# KiCad board Fraiseiver2panel.kicad_pcb (continued)
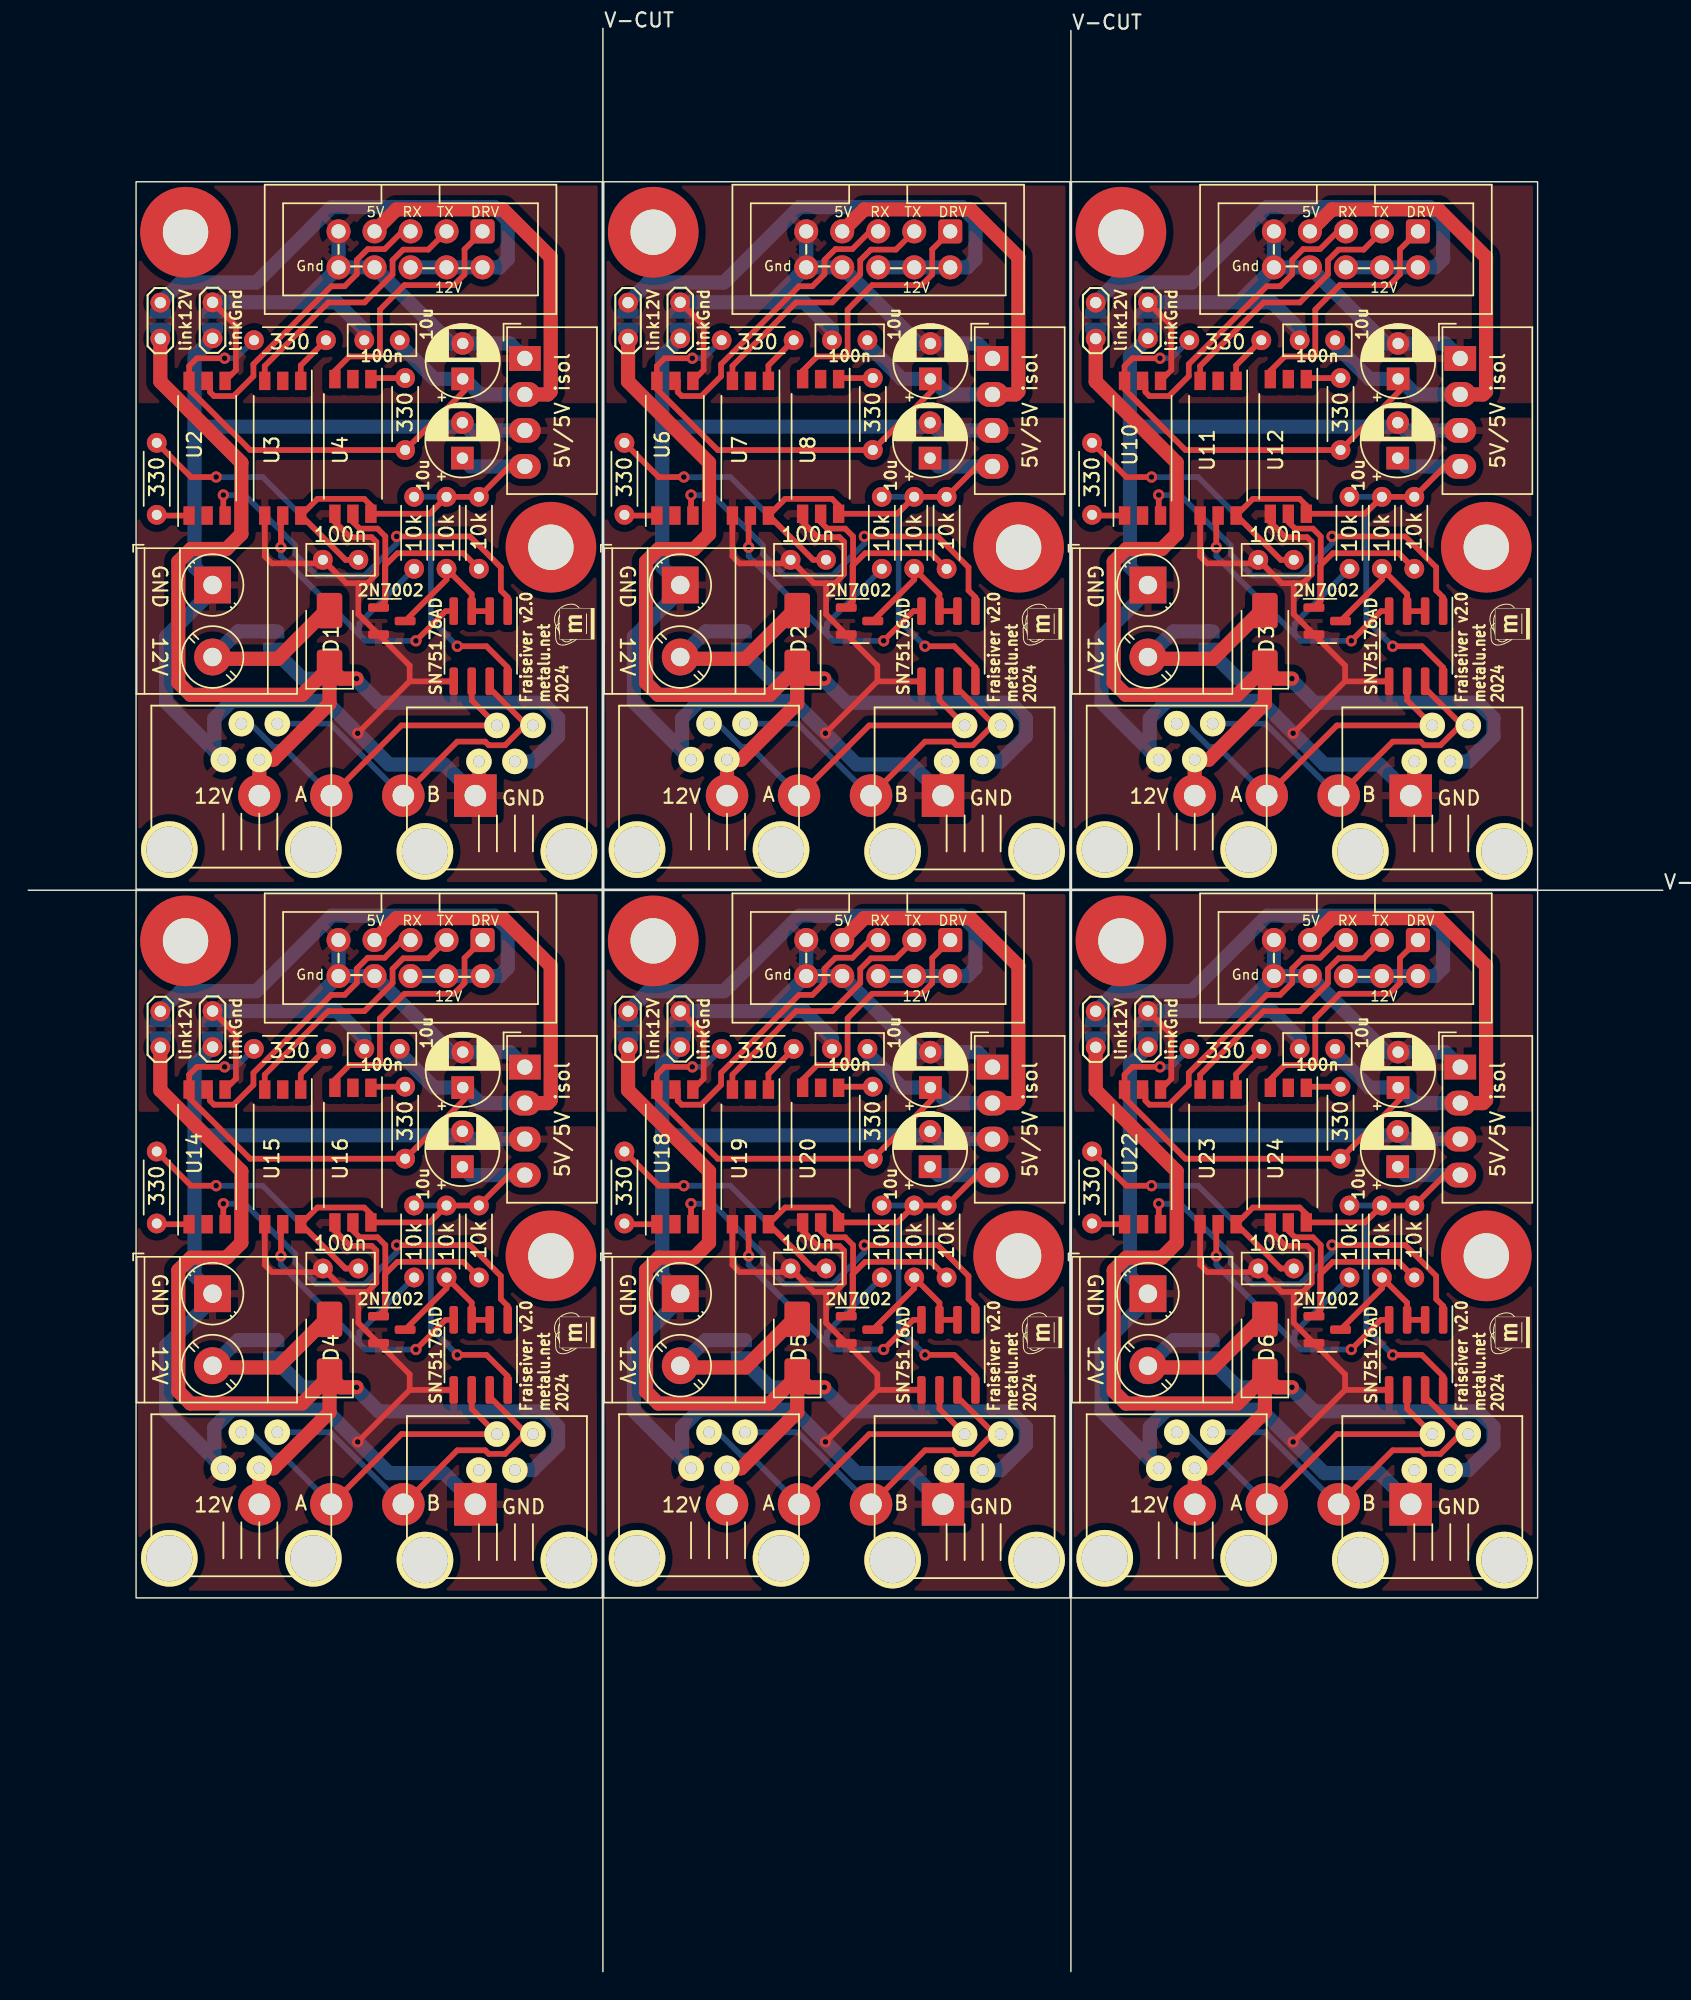
[diagram p0: board, top side]
## Library data of the parts
C1 C2 C5 C6 C9 C10 C13 C14 C17 C18 C21 C22 = -: Description: Unpolarized capacitor
C3 C4 C7 C8 C11 C12 C15 C16 C19 C20 C23 C24 = -: Description: Polarized capacitor
D1-D6 = -: Description: Schottky diode
H1-H12 = -: Description: Mounting Hole without connection
J1 J4 J6 J9 J11 J14 J16 J19 J21 J24 J26 J29 = -: Description: RJ connector, 6P4C (6 positions 4 connected)
J2 J7 J12 J17 J22 J27 = -: Description: Generic connector, single row, 01x02, script generated
J3 J8 J13 J18 J23 J28 = -: Description: Generic connector, double row, 02x05, odd/even pin numbering scheme (row 1 odd numbers, row 2 even numbers), script generated (kicad-library-utils/schlib/autogen/connector/)
J5 J10 J15 J20 J25 J30 = -: Description: Generic connector, single row, 01x04, script generated
JP1 JP3 JP6 JP8 JP11 JP13 JP16 JP18 JP21 JP23 JP26 JP28 = -: Description: Jumper, 2-pole, open
JP2 JP4 JP5 JP7 JP9 JP10 JP12 JP14 JP15 JP17 JP19 JP20 JP22 JP24 JP25 JP27 JP29 JP30 = -: Description: Solder Jumper, 2-pole, open
PS1-PS6 = -: Description: 1W, 1000 VDC isolated DC/DC converter, 5V input, 5V output, SIP
Q1-Q6 = -: Description: 0.115A Id, 60V Vds, N-Channel MOSFET, SOT-23
R1-R36 = -: Description: Resistor
U1 U5 U9 U13 U17 U21 = -: Description: Differential RS-422/RS-485 bus transceiver, SOIC-8
U2-U4 U6-U8 U10-U12 U14-U16 U18-U20 U22-U24 = -: Description: 50-Mbps high speed inverting photocouple,5 kVrms, 2.7 - 5.5 Vdd, push-pull output

## Footprints (pads in the part's own frame, mm; a bottom-side part is the same pattern mirrored in y, then rotated)
C_Rect_L4.6mm_W2.0mm_P2.50mm_MKS02_FKP02
  round 1.4 hole 0.7: 1(0,0) 2(2.5,0)
Converter_DCDC_Murata_MEE1SxxxxSC_THT
  rect 2.25x1.75 hole 1.075: 1(0,0)
  oval 2.25x1.75 hole 1.075: 2(0,-2.54) 3(0,-5.08) 4(0,-7.62)
CP_Radial_D5.0mm_P2.50mm
  rect 1.6x1.6 hole 0.8: 1(0,0)
  round 1.6 hole 0.8: 2(2.5,0)
D_SMA
  rrect 2.5x1.8 smd: 1(-2,0) 2(2,0)
IDC-Header_2x05_P2.54mm_Vertical
  rrect 1.7x1.7 hole 1: 1(0,0)
  round 1.7 hole 1: 2(2.54,0) 3(0,-2.54) 4(2.54,-2.54) 5(0,-5.08) 6(2.54,-5.08) 7(0,-7.62) 8(2.54,-7.62) 9(0,-10.16) 10(2.54,-10.16)
MountingHole_3.2mm_M3_Pad_TopOnly
  round 3.6 hole 3.2: 1(0,0)
  round 6.4 smd: 1(0,0)
R_Axial_DIN0204_L3.6mm_D1.6mm_P5.08mm_Horizontal
  round 1.4 hole 0.7: 1(0,0)
  oval 1.4x1.4 hole 0.7: 2(5.08,0)
RJ11
  round 4 hole 3.251: (-5.08,6.35) (5.08,6.35)
  round 1.801 hole 0.813: 1(1.27,0) 2(0,-2.54) 3(-1.27,0) 4(-2.54,-2.54)
SO-6L_10x3.84mm_P1.27mm
  rect 1.3x0.8 smd: 1(-4.75,1.27) 2(-4.75,0) 3(-4.75,-1.27) 4(4.75,-1.27) 5(4.75,0) 6(4.75,1.27)
SOIC-8_3.9x4.9mm_P1.27mm
  rrect 1.95x0.6 smd: 1(-2.475,1.905) 2(-2.475,0.635) 3(-2.475,-0.635) 4(-2.475,-1.905) 5(2.475,-1.905) 6(2.475,-0.635) 7(2.475,0.635) 8(2.475,1.905)
SolderJumper-2_P1.3mm_Open_RoundedPad1.0x1.5mm
  custom 1x1.5 smd: 1(-0.65,0) 2(0.65,0)
SOT-23
  rrect 1.475x0.6 smd: 1(-0.938,0.95) 2(-0.938,-0.95) 3(0.938,0)
TerminalBlock_bornier-4_P5.08mm
  rect 3x3 hole 1.52: 1(0,0)
  round 3 hole 1.52: 2(5.08,0) 3(10.16,0) 4(15.24,0)
TerminalBlock_Phoenix_MKDS-3-2-5.08_1x02_P5.08mm_Horizontal
  rect 2.6x2.6 hole 1.3: 1(0,0)
  round 2.6 hole 1.3: 2(5.08,0)
TestPoint_2Pads_Pitch2.54mm_Drill0.8mm
  round 1.4 hole 0.8: 1(0,0) 2(2.54,0)

## Nets
+5V: C2.1 C3.1 C6.1 C7.1 C10.1 C11.1 C14.1 C15.1 C18.1 C19.1 C22.1 C23.1 J3.7 J8.7 J13.7 J18.7 J23.7 J28.7 PS1.2 PS2.2 PS3.2 PS4.2 PS5.2 PS6.2 R2.2 R3.2 R8.2 R9.2 R14.2 R15.2 R20.2 R21.2 R26.2 R27.2 R32.2 R33.2 U2.6 U6.6 U10.6 U14.6 U18.6 U22.6
+5VD: C1.1 C4.1 C5.1 C8.1 C9.1 C12.1 C13.1 C16.1 C17.1 C20.1 C21.1 C24.1 PS1.4 PS2.4 PS3.4 PS4.4 PS5.4 PS6.4 R1.1 R4.2 R5.2 R6.2 R7.1 R10.2 R11.2 R12.2 R13.1 R16.2 R17.2 R18.2 R19.1 R22.2 R23.2 R24.2 R25.1 R28.2 R29.2 R30.2 R31.1 R34.2 R35.2 R36.2 U1.8 U3.6 U4.6 U5.8 U7.6 U8.6 U9.8 U11.6 U12.6 U13.8 U15.6 U16.6 U17.8 U19.6 U20.6 U21.8 U23.6 U24.6
+12V: J3.2 J3.4 J3.6 J8.2 J8.4 J8.6 J13.2 J13.4 J13.6 J18.2 J18.4 J18.6 J23.2 J23.4 J23.6 J28.2 J28.4 J28.6 JP1.2 JP2.2 JP6.2 JP7.2 JP11.2 JP12.2 JP16.2 JP17.2 JP21.2 JP22.2 JP26.2 JP27.2
GND: C2.2 C3.2 C6.2 C7.2 C10.2 C11.2 C14.2 C15.2 C18.2 C19.2 C22.2 C23.2 J3.8 J3.9 J3.10 J8.8 J8.9 J8.10 J13.8 J13.9 J13.10 J18.8 J18.9 J18.10 J23.8 J23.9 J23.10 J28.8 J28.9 J28.10 JP3.2 JP4.2 JP8.2 JP9.2 JP13.2 JP14.2 JP18.2 JP19.2 JP23.2 JP24.2 JP28.2 JP29.2 PS1.1 PS2.1 PS3.1 PS4.1 PS5.1 PS6.1 U2.4 U6.4 U10.4 U14.4 U18.4 U22.4
GNDD: C1.2 C4.2 C5.2 C8.2 C9.2 C12.2 C13.2 C16.2 C17.2 C20.2 C21.2 C24.2 J1.1 J2.1 J4.1 J5.1 J6.1 J7.1 J9.1 J10.1 J11.1 J12.1 J14.1 J15.1 J16.1 J17.1 J19.1 J20.1 J21.1 J22.1 J24.1 J25.1 J26.1 J27.1 J29.1 J30.1 JP3.1 JP4.1 JP8.1 JP9.1 JP13.1 JP14.1 JP18.1 JP19.1 JP23.1 JP24.1 JP28.1 JP29.1 PS1.3 PS2.3 PS3.3 PS4.3 PS5.3 PS6.3 Q1.2 Q2.2 Q3.2 Q4.2 Q5.2 Q6.2 U1.5 U3.4 U4.4 U5.5 U7.4 U8.4 U9.5 U11.4 U12.4 U13.5 U15.4 U16.4 U17.5 U19.4 U20.4 U21.5 U23.4 U24.4
+12P: D1.1 D2.1 D3.1 D4.1 D5.1 D6.1 J1.3 J4.3 J5.4 J6.3 J9.3 J10.4 J11.3 J14.3 J15.4 J16.3 J19.3 J20.4 J21.3 J24.3 J25.4 J26.3 J29.3 J30.4 JP1.1 JP2.1 JP5.2 JP6.1 JP7.1 JP10.2 JP11.1 JP12.1 JP15.2 JP16.1 JP17.1 JP20.2 JP21.1 JP22.1 JP25.2 JP26.1 JP27.1 JP30.2
/A: J1.2 J4.2 J5.3 J6.2 J9.2 J10.3 J11.2 J14.2 J15.3 J16.2 J19.2 J20.3 J21.2 J24.2 J25.3 J26.2 J29.2 J30.3 U1.6 U5.6 U9.6 U13.6 U17.6 U21.6
/B: J1.4 J4.4 J5.2 J6.4 J9.4 J10.2 J11.4 J14.4 J15.2 J16.4 J19.4 J20.2 J21.4 J24.4 J25.2 J26.4 J29.4 J30.2 U1.7 U5.7 U9.7 U13.7 U17.7 U21.7
/DRV: J3.1 J8.1 J13.1 J18.1 J23.1 J28.1 U4.3 U8.3 U12.3 U16.3 U20.3 U24.3
/RX: J3.5 J8.5 J13.5 J18.5 J23.5 J28.5 U2.5 U6.5 U10.5 U14.5 U18.5 U22.5
/TX: J3.3 J8.3 J13.3 J18.3 J23.3 J28.3 U3.3 U7.3 U11.3 U15.3 U19.3 U23.3
Net-(D1-A): D1.2 D2.2 D3.2 D4.2 D5.2 D6.2 J2.2 J7.2 J12.2 J17.2 J22.2 J27.2 JP5.1 JP10.1 JP15.1 JP20.1 JP25.1 JP30.1
Net-(Q1-D): Q1.3 Q2.3 Q3.3 Q4.3 Q5.3 Q6.3 R4.1 R10.1 R16.1 R22.1 R28.1 R34.1 U1.2 U1.3 U5.2 U5.3 U9.2 U9.3 U13.2 U13.3 U17.2 U17.3 U21.2 U21.3
Net-(Q1-G): Q1.1 Q2.1 Q3.1 Q4.1 Q5.1 Q6.1 R5.1 R11.1 R17.1 R23.1 R29.1 R35.1 U4.5 U8.5 U12.5 U16.5 U20.5 U24.5
Net-(U1-D): R6.1 R12.1 R18.1 R24.1 R30.1 R36.1 U1.4 U3.5 U5.4 U7.5 U9.4 U11.5 U13.4 U15.5 U17.4 U19.5 U21.4 U23.5
Net-(U1-R): U1.1 U2.3 U5.1 U6.3 U9.1 U10.3 U13.1 U14.3 U17.1 U18.3 U21.1 U22.3
Net-(U2-A): R1.2 R7.2 R13.2 R19.2 R25.2 R31.2 U2.1 U6.1 U10.1 U14.1 U18.1 U22.1
Net-(U3-A): R2.1 R8.1 R14.1 R20.1 R26.1 R32.1 U3.1 U7.1 U11.1 U15.1 U19.1 U23.1
Net-(U4-A): R3.1 R9.1 R15.1 R21.1 R27.1 R33.1 U4.1 U8.1 U12.1 U16.1 U20.1 U24.1

Pads without a net: H1 1; H2 1; H3 1; H4 1; H5 1; H6 1; H7 1; H8 1; H9 1; H10 1; H11 1; H12 1; U2 2; U3 2; U4 2; U6 2; U7 2; U8 2; U10 2; U11 2; U12 2; U14 2; U15 2; U16 2; U18 2; U19 2; U20 2; U22 2; U23 2; U24 2

## Via types
v1: diameter 0.8, hole 0.4, Top to Bottom, 54 vias

## Routing (per net, layer and track width the routed paths; a pad name or vN(x,y) marks a point on that pad's centre or on a via; arc(x,y) is an arc through that point)
+5V: length 403.1
  Top w0.4: 30.78,112.38 30.78,111.55 R3.2 15.64,107.36 11.35,111.66 U2.6 11.35,113.29 11.9,113.84 v1(13.85,113.84) ; 63.78,112.38 63.78,111.55 R9.2 48.64,107.36 44.35,111.66 U6.6 44.35,113.29 44.9,113.84 v1(46.85,113.84) ; v1(46.85,63.84) 44.9,63.84 44.35,63.29 U18.6 44.35,61.66 48.64,57.36 R27.2 63.78,61.55 63.78,62.38 ; v1(79.85,63.84) 77.9,63.84 77.35,63.29 U22.6 77.35,61.66 81.64,57.36 R33.2 96.78,61.55 96.78,62.38 ; 30.78,62.38 30.78,61.55 R21.2 15.64,57.36 11.35,61.66 U14.6 11.35,63.29 11.9,63.84 v1(13.85,63.84) ; 96.78,112.38 96.78,111.55 R15.2 81.64,107.36 77.35,111.66 U10.6 77.35,113.29 77.9,113.84 v1(79.85,113.84)
  Top w1: J13.7 91.98,124.34 99.48,124.34 102.86,120.96 102.86,111.48 102.66,111.28 PS3.2 ; PS1.2 36.66,111.28 36.86,111.48 36.86,120.96 33.48,124.34 25.98,124.34 J3.7 ; PS6.2 102.66,61.28 102.86,61.48 102.86,70.96 99.48,74.34 91.98,74.34 J28.7 ; J8.7 58.98,124.34 66.48,124.34 69.86,120.96 69.86,111.48 69.66,111.28 PS2.2 ; PS4.2 36.66,61.28 36.86,61.48 36.86,70.96 33.48,74.34 25.98,74.34 J18.7 ; J23.7 58.98,74.34 66.48,74.34 69.86,70.96 69.86,61.48 69.66,61.28 PS5.2
  Bottom w0.4: R32.2 80.65,63.84 v1(79.85,63.84) ; R26.2 47.65,63.84 v1(46.85,63.84) ; R14.2 80.65,113.84 v1(79.85,113.84) ; R2.2 14.65,113.84 v1(13.85,113.84) ; v1(46.85,113.84) 47.65,113.84 R8.2 ; v1(13.85,63.84) 14.65,63.84 R20.2
  Bottom w1: C10.1 92.2,114.8 94.63,112.38 96.78,112.38 97.87,111.28 PS3.2 ; C18.1 59.2,64.8 61.63,62.38 63.78,62.38 64.87,61.28 PS5.2 ; C22.1 92.2,64.8 94.63,62.38 96.78,62.38 97.87,61.28 PS6.2 ; PS2.2 64.87,111.28 63.78,112.38 61.63,112.38 59.2,114.8 C6.1 ; C2.1 26.2,114.8 28.63,112.38 30.78,112.38 31.87,111.28 PS1.2 ; PS4.2 31.87,61.28 30.78,62.38 28.63,62.38 26.2,64.8 C14.1
+5VD: length 391.9
  Top w0.4: R19.1 11.47,55.45 v1(13.25,55.45) ; R25.1 44.47,55.45 v1(46.25,55.45) ; PS1.4 33.94,106.2 R5.2 R4.2 28.31,102.86 U4.6 24.17,103.44 23.7,103.91 20.4,103.91 U3.6 19.25,102.74 22.37,99.61 C1.1 ; PS4.4 33.94,56.2 R23.2 R22.2 28.31,52.86 U16.6 24.17,53.44 23.7,53.91 20.4,53.91 U15.6 19.25,52.74 22.37,49.61 C13.1 ; R13.1 77.47,105.45 v1(79.25,105.45) ; v1(79.25,55.45) 77.47,55.45 R31.1 ; U17.8 66.82,42.02 65.32,43.52 v1(63.27,43.52) ; v1(63.27,93.52) 65.32,93.52 66.82,92.02 U5.8 ; U21.8 99.82,42.02 98.32,43.52 v1(96.27,43.52) ; PS2.4 66.94,106.2 R11.2 R10.2 61.31,102.86 U8.6 57.17,103.44 56.7,103.91 53.4,103.91 U7.6 52.25,102.74 55.37,99.61 C5.1 ; U13.8 33.82,42.02 32.32,43.52 v1(30.27,43.52) ; R1.1 11.47,105.45 v1(13.25,105.45) ; PS5.4 66.94,56.2 R29.2 R28.2 61.31,52.86 U20.6 57.17,53.44 56.7,53.91 53.4,53.91 U19.6 52.25,52.74 55.37,49.61 C17.1 ; R7.1 44.47,105.45 v1(46.25,105.45) ; v1(30.27,93.52) 32.32,93.52 33.82,92.02 U1.8 ; v1(96.27,93.52) 98.32,93.52 99.82,92.02 U9.8 ; C21.1 88.37,49.61 85.25,52.74 U23.6 86.4,53.91 89.7,53.91 90.17,53.44 U24.6 94.31,52.86 R34.2 R35.2 99.94,56.2 PS6.4 ; PS3.4 99.94,106.2 R17.2 R16.2 94.31,102.86 U12.6 90.17,103.44 89.7,103.91 86.4,103.91 U11.6 85.25,102.74 88.37,99.61 C9.1
  Bottom w0.4: v1(79.25,55.45) 82.53,55.45 88.37,49.61 C21.1 ; v1(63.27,93.52) 61.41,95.38 61.41,102.96 R10.2 R12.2 ; R6.2 R4.2 28.41,102.96 28.41,95.38 v1(30.27,93.52) ; v1(96.27,43.52) 94.41,45.38 94.41,52.96 R34.2 R36.2 ; R30.2 R28.2 61.41,52.96 61.41,45.38 v1(63.27,43.52) ; v1(96.27,93.52) 94.41,95.38 94.41,102.96 R16.2 R18.2 ; R24.2 R22.2 28.41,52.96 28.41,45.38 v1(30.27,43.52) ; C1.1 22.37,99.61 16.53,105.45 v1(13.25,105.45) ; v1(13.25,55.45) 16.53,55.45 22.37,49.61 C13.1 ; C5.1 55.37,99.61 49.53,105.45 v1(46.25,105.45) ; v1(79.25,105.45) 82.53,105.45 88.37,99.61 C9.1 ; v1(46.25,55.45) 49.53,55.45 55.37,49.61 C17.1
  Bottom w1: C4.1 31.21,106.2 PS1.4 ; PS4.4 31.21,56.2 C16.1 ; PS6.4 97.21,56.2 C24.1 ; C20.1 64.21,56.2 PS5.4 ; C8.1 64.21,106.2 PS2.4 ; C12.1 97.21,106.2 PS3.4
+12V: length 225.2
  Bottom w1: JP6.2 43.73,119.18 49.09,119.18 54.41,124.5 65.88,124.5 66.82,123.56 66.82,120.82 66.25,120.25 J8.2 J8.4 J8.6 ; J28.6 J28.4 J28.2 99.25,70.25 99.82,70.82 99.82,73.56 98.88,74.5 87.41,74.5 82.09,69.18 76.73,69.18 JP26.2 ; J13.6 J13.4 J13.2 99.25,120.25 99.82,120.82 99.82,123.56 98.88,124.5 87.41,124.5 82.09,119.18 76.73,119.18 JP11.2 ; J23.6 J23.4 J23.2 66.25,70.25 66.82,70.82 66.82,73.56 65.88,74.5 54.41,74.5 49.09,69.18 43.73,69.18 JP21.2 ; JP16.2 10.73,69.18 16.09,69.18 21.41,74.5 32.88,74.5 33.82,73.56 33.82,70.82 33.25,70.25 J18.2 J18.4 J18.6 ; J3.6 J3.4 J3.2 33.25,120.25 33.82,120.82 33.82,123.56 32.88,124.5 21.41,124.5 16.09,119.18 10.73,119.18 JP1.2
GND: length 243.7
  Top w0.4: U22.4 80.65,63 80.65,66.13 JP28.2 ; U14.4 14.65,63 14.65,66.13 JP18.2 ; U10.4 80.65,113 80.65,116.13 JP13.2 ; U2.4 14.65,113 14.65,116.13 JP3.2 ; U6.4 47.65,113 47.65,116.13 JP8.2 ; U18.4 47.65,63 47.65,66.13 JP23.2
  Bottom w1: C2.2 23.7,115.83 21.75,117.78 19.42,117.78 ; J28.9 J28.10 ; J28.10 J28.8 95.8,64.88 99.98,64.88 PS6.1 ; J28.10 85.42,67.78 ; 85.42,67.78 87.75,67.78 89.7,65.83 C22.2 ; 85.42,67.78 JP28.2 ; C18.2 56.7,65.83 54.75,67.78 52.42,67.78 ; 52.42,117.78 54.75,117.78 56.7,115.83 C6.2 ; 52.42,117.78 J8.10 ; 52.42,117.78 JP8.2 ; J13.10 J13.8 95.8,114.88 99.98,114.88 PS3.1 ; J13.10 85.42,117.78 ; J13.10 J13.9 ; J23.9 J23.10 ; J23.10 52.42,67.78 ; J23.10 J23.8 62.8,64.88 66.98,64.88 PS5.1 ; PS2.1 66.98,114.88 62.8,114.88 J8.8 J8.10 ; PS4.1 33.98,64.88 29.8,64.88 J18.8 J18.10 ; 19.42,67.78 21.75,67.78 23.7,65.83 C14.2 ; 19.42,67.78 J18.10 ; 19.42,67.78 JP18.2 ; J18.10 J18.9 ; 85.42,117.78 87.75,117.78 89.7,115.83 C10.2 ; 85.42,117.78 JP13.2 ; 52.42,67.78 JP23.2 ; J8.10 J8.9 ; J3.10 J3.8 29.8,114.88 33.98,114.88 PS1.1 ; J3.10 J3.9 ; J3.10 19.42,117.78 ; 19.42,117.78 JP3.2
GNDD: length 719.3
  Top w0.4: 23.28,47.96 23.92,47.96 24.55,48.6 24.55,50.88 24.22,51.21 22.7,51.21 21.63,52.28 U16.4 ; 23.28,47.96 23.28,45.77 Q4.2 26.9,42.15 26.9,41.04 ; 23.28,47.96 22.43,47.96 C13.2 20.53,49.36 17.19,49.36 16.68,49.87 U15.4 ; 89.28,97.96 89.92,97.96 90.55,98.6 90.55,100.88 90.22,101.21 88.7,101.21 87.63,102.28 U12.4 ; 89.28,97.96 88.43,97.96 C9.2 86.53,99.36 83.19,99.36 82.68,99.87 U11.4 ; 89.28,97.96 89.28,95.77 Q3.2 92.9,92.15 92.9,91.04 ; U8.4 54.63,102.28 55.7,101.21 57.22,101.21 57.55,100.88 57.55,98.6 56.92,97.96 56.28,97.96 ; 89.28,47.96 89.92,47.96 90.55,48.6 90.55,50.88 90.22,51.21 88.7,51.21 87.63,52.28 U24.4 ; 89.28,47.96 88.43,47.96 C21.2 86.53,49.36 83.19,49.36 82.68,49.87 U23.4 ; 89.28,47.96 89.28,45.77 Q6.2 92.9,42.15 92.9,41.04 ; 26.9,41.04 v1(23.24,37.38) ; 26.9,41.04 U13.5 ; 92.9,91.04 v1(89.24,87.38) ; 92.9,91.04 U9.5 ; 23.28,97.96 23.92,97.96 24.55,98.6 24.55,100.88 24.22,101.21 22.7,101.21 21.63,102.28 U4.4 ; 23.28,97.96 23.28,95.77 Q1.2 26.9,92.15 26.9,91.04 ; 23.28,97.96 22.43,97.96 C1.2 20.53,99.36 17.19,99.36 16.68,99.87 U3.4 ; 56.28,47.96 56.28,45.77 Q5.2 59.9,42.15 59.9,41.04 ; 56.28,47.96 55.43,47.96 C17.2 53.53,49.36 50.19,49.36 49.68,49.87 U19.4 ; 56.28,47.96 56.92,47.96 57.55,48.6 57.55,50.88 57.22,51.21 55.7,51.21 54.63,52.28 U20.4 ; 59.9,91.04 v1(56.24,87.38) ; 59.9,91.04 U5.5 ; 59.9,91.04 59.9,92.15 Q2.2 56.28,95.77 56.28,97.96 ; 56.28,97.96 55.43,97.96 C5.2 53.53,99.36 50.19,99.36 49.68,99.87 U7.4 ; U1.5 26.9,91.04 ; 26.9,91.04 v1(23.24,87.38) ; 59.9,41.04 U17.5 ; 59.9,41.04 v1(56.24,37.38) ; 92.9,41.04 U21.5 ; 92.9,41.04 v1(89.24,37.38)
  Top w1: J25.1 64.79,33.23 J24.1 ; J29.1 97.79,33.23 J30.1 ; J20.1 31.79,33.23 J19.1 ; J10.1 64.79,83.23 J9.1 ; J14.1 97.79,83.23 J15.1 ; J5.1 31.79,83.23 J4.1
  Bottom w1: PS6.3 97.17,58.74 96.9,59.01 78.23,59.01 77.73,59.52 ; JP13.1 77.73,113.97 77.73,99.1 J12.1 79,97.45 75.73,94.18 75.73,89.55 J11.1 79.12,86.15 79.12,88.41 80.37,89.65 86.96,89.65 v1(89.24,87.38) 91.44,85.17 95.34,85.17 J15.1 ; J30.1 95.34,35.17 91.44,35.17 v1(89.24,37.38) 86.96,39.65 80.37,39.65 79.12,38.41 79.12,36.15 J26.1 75.73,39.55 75.73,44.18 79,47.45 J27.1 77.73,49.1 77.73,63.97 JP28.1 ; JP8.1 44.73,113.97 44.73,99.1 J7.1 46,97.45 42.73,94.18 42.73,89.55 J6.1 46.12,86.15 46.12,88.41 47.37,89.65 53.96,89.65 v1(56.24,87.38) 58.44,85.17 62.34,85.17 J10.1 ; 11.73,59.52 12.23,59.01 30.9,59.01 31.17,58.74 PS4.3 ; JP3.1 11.73,113.97 11.73,99.1 J2.1 13,97.45 9.73,94.18 9.73,89.55 J1.1 13.12,86.15 13.12,88.41 14.37,89.65 20.96,89.65 v1(23.24,87.38) 25.44,85.17 29.34,85.17 J5.1 ; JP18.1 11.73,63.97 11.73,49.1 J17.1 13,47.45 9.73,44.18 9.73,39.55 J16.1 13.12,36.15 13.12,38.41 14.37,39.65 20.96,39.65 v1(23.24,37.38) 25.44,35.17 29.34,35.17 J20.1 ; JP23.1 44.73,63.97 44.73,49.1 J22.1 46,47.45 42.73,44.18 42.73,39.55 J21.1 46.12,36.15 46.12,38.41 47.37,39.65 53.96,39.65 v1(56.24,37.38) 58.44,35.17 62.34,35.17 J25.1 ; PS5.3 64.17,58.74 63.9,59.01 45.23,59.01 44.73,59.52 ; PS2.3 64.17,108.74 63.9,109.01 45.23,109.01 44.73,109.52 ; PS3.3 97.17,108.74 96.9,109.01 78.23,109.01 77.73,109.52 ; 11.73,109.52 12.23,109.01 30.9,109.01 31.17,108.74 PS1.3
+12P: length 497.3
  Top w1: J5.4 J1.3 17.29,85.51 21.25,89.47 D1.1 ; D1.1 22.05,91.23 v1(23.16,91.23) ; D1.1 19.31,90.09 11.44,90.09 10.58,90.95 10.58,99.48 11.47,100.37 13.97,100.37 15.03,101.43 15.03,106.47 9.31,112.18 JP1.1 ; J30.4 J26.3 83.29,35.51 87.25,39.47 D6.1 ; JP11.1 75.31,112.18 81.03,106.47 81.03,101.43 79.97,100.37 77.47,100.37 76.58,99.48 76.58,90.95 77.44,90.09 85.31,90.09 D3.1 ; D6.1 88.05,41.23 v1(89.16,41.23) ; D6.1 85.31,40.09 77.44,40.09 76.58,40.95 76.58,49.48 77.47,50.37 79.97,50.37 81.03,51.43 81.03,56.47 75.31,62.18 JP26.1 ; v1(23.16,41.23) 22.05,41.23 D4.1 ; JP16.1 9.31,62.18 15.03,56.47 15.03,51.43 13.97,50.37 11.47,50.37 10.58,49.48 10.58,40.95 11.44,40.09 19.31,40.09 D4.1 ; D4.1 21.25,39.47 17.29,35.51 J16.3 J20.4 ; J10.4 J6.3 50.29,85.51 54.25,89.47 D2.1 ; J15.4 J11.3 83.29,85.51 87.25,89.47 D3.1 ; D5.1 55.05,41.23 v1(56.16,41.23) ; D5.1 52.31,40.09 44.44,40.09 43.58,40.95 43.58,49.48 44.47,50.37 46.97,50.37 48.03,51.43 48.03,56.47 42.31,62.18 JP21.1 ; D5.1 54.25,39.47 50.29,35.51 J21.3 J25.4 ; D2.1 52.31,90.09 44.44,90.09 43.58,90.95 43.58,99.48 44.47,100.37 46.97,100.37 48.03,101.43 48.03,106.47 42.31,112.18 JP6.1 ; D2.1 55.05,91.23 v1(56.16,91.23) ; D3.1 88.05,91.23 v1(89.16,91.23)
  Bottom w1: JP15.2 85.35,91.23 v1(89.16,91.23) 89.16,91.1 90.73,89.53 102.29,89.53 103.38,88.44 103.38,87.16 101.61,85.39 J14.3 ; JP30.2 85.35,41.23 v1(89.16,41.23) 89.16,41.1 90.73,39.53 102.29,39.53 103.38,38.44 103.38,37.16 101.61,35.39 J29.3 ; J24.3 68.61,35.39 70.38,37.16 70.38,38.44 69.29,39.53 57.73,39.53 56.16,41.1 v1(56.16,41.23) 52.35,41.23 JP25.2 ; JP10.2 52.35,91.23 v1(56.16,91.23) 56.16,91.1 57.73,89.53 69.29,89.53 70.38,88.44 70.38,87.16 68.61,85.39 J9.3 ; J4.3 35.61,85.39 37.38,87.16 37.38,88.44 36.29,89.53 24.73,89.53 23.16,91.1 v1(23.16,91.23) 19.35,91.23 JP5.2 ; J19.3 35.61,35.39 37.38,37.16 37.38,38.44 36.29,39.53 24.73,39.53 23.16,41.1 v1(23.16,41.23) 19.35,41.23 JP20.2
/A: length 156.2
  Top w0.4: J5.3 26.33,87.93 J4.2 31.28,89.71 U1.6 ; U21.6 97.28,39.71 J29.2 92.33,37.93 J30.3 ; U17.6 64.28,39.71 J24.2 59.33,37.93 J25.3 ; U13.6 31.28,39.71 J19.2 26.33,37.93 J20.3 ; U5.6 64.28,89.71 J9.2 59.33,87.93 J10.3 ; U9.6 97.28,89.71 J14.2 92.33,87.93 J15.3
  Bottom w0.4: J15.3 83.94,86.41 83.3,86.41 81.66,88.05 J11.2 ; J21.2 48.66,38.05 50.3,36.41 50.94,36.41 J25.3 ; J26.2 81.66,38.05 83.3,36.41 83.94,36.41 J30.3 ; J1.2 15.66,88.05 17.3,86.41 17.94,86.41 J5.3 ; J10.3 50.94,86.41 50.3,86.41 48.66,88.05 J6.2 ; J16.2 15.66,38.05 17.3,36.41 17.94,36.41 J20.3
/B: length 162.1
  Top w0.4: J10.2 63.27,86.78 65.23,86.78 65.49,86.53 66.64,86.53 68.03,87.93 J9.4 68.18,87.93 65.55,90.55 U5.7 ; U1.7 32.55,90.55 35.18,87.93 J4.4 35.03,87.93 33.64,86.53 32.49,86.53 32.23,86.78 30.27,86.78 J5.2 ; U17.7 65.55,40.55 68.18,37.93 J24.4 68.03,37.93 66.64,36.53 65.49,36.53 65.23,36.78 63.27,36.78 J25.2 ; U9.7 98.55,90.55 101.18,87.93 J14.4 101.03,87.93 99.64,86.53 98.49,86.53 98.23,86.78 96.27,86.78 J15.2 ; U13.7 32.55,40.55 35.18,37.93 J19.4 35.03,37.93 33.64,36.53 32.49,36.53 32.23,36.78 30.27,36.78 J20.2 ; U21.7 98.55,40.55 101.18,37.93 J29.4 101.03,37.93 99.64,36.53 98.49,36.53 98.23,36.78 96.27,36.78 J30.2
  Bottom w0.4: J1.4 21.29,88.05 26.37,82.97 J5.2 ; J10.2 59.37,82.97 54.29,88.05 J6.4 ; J26.4 87.29,38.05 92.37,32.97 J30.2 ; J16.4 21.29,38.05 26.37,32.97 J20.2 ; J11.4 87.29,88.05 92.37,82.97 J15.2 ; J25.2 59.37,32.97 54.29,38.05 J21.4
/DRV: length 108.2
  Top w0.4: J18.1 30.78,71.52 30.78,69.75 30.02,69 26.54,69 24.81,67.26 24.81,63.96 22.65,63.96 21.63,62.94 U16.3 ; J13.1 96.78,121.52 96.78,119.75 96.02,119 92.54,119 90.81,117.26 90.81,113.96 88.65,113.96 87.63,112.94 U12.3 ; U20.3 54.63,62.94 55.65,63.96 57.81,63.96 57.81,67.26 59.54,69 63.02,69 63.78,69.75 63.78,71.52 J23.1 ; U4.3 21.63,112.94 22.65,113.96 24.81,113.96 24.81,117.26 26.54,119 30.02,119 30.78,119.75 30.78,121.52 J3.1 ; J28.1 96.78,71.52 96.78,69.75 96.02,69 92.54,69 90.81,67.26 90.81,63.96 88.65,63.96 87.63,62.94 U24.3 ; U8.3 54.63,112.94 55.65,113.96 57.81,113.96 57.81,117.26 59.54,119 63.02,119 63.78,119.75 63.78,121.52 J8.1
/RX: length 126.9
  Top w0.4: U18.5 45.82,62.24 45.82,61.45 46.1,61.17 47.48,61.17 48.88,62.57 48.88,63.42 54.38,68.92 55.32,68.92 56.18,69.77 56.18,70.76 56.95,71.54 58.14,71.54 59.39,72.79 J23.5 ; J18.5 26.39,72.79 25.14,71.54 23.95,71.54 23.18,70.76 23.18,69.77 22.32,68.92 21.38,68.92 15.88,63.42 15.88,62.57 14.48,61.17 13.1,61.17 12.82,61.45 12.82,62.24 U14.5 ; U6.5 45.82,112.24 45.82,111.45 46.1,111.17 47.48,111.17 48.88,112.57 48.88,113.42 54.38,118.92 55.32,118.92 56.18,119.77 56.18,120.76 56.95,121.54 58.14,121.54 59.39,122.79 J8.5 ; U10.5 78.82,112.24 78.82,111.45 79.1,111.17 80.48,111.17 81.88,112.57 81.88,113.42 87.38,118.92 88.32,118.92 89.18,119.77 89.18,120.76 89.95,121.54 91.14,121.54 92.39,122.79 J13.5 ; J28.5 92.39,72.79 91.14,71.54 89.95,71.54 89.18,70.76 89.18,69.77 88.32,68.92 87.38,68.92 81.88,63.42 81.88,62.57 80.48,61.17 79.1,61.17 78.82,61.45 78.82,62.24 U22.5 ; J3.5 26.39,122.79 25.14,121.54 23.95,121.54 23.18,120.76 23.18,119.77 22.32,118.92 21.38,118.92 15.88,113.42 15.88,112.57 14.48,111.17 13.1,111.17 12.82,111.45 12.82,112.24 U2.5
/TX: length 110.4
  Top w0.4: J3.3 28.22,121.5 26.45,121.5 25.7,120.74 25.7,119.75 23.72,117.77 21.17,117.77 16.68,113.29 U3.3 ; J23.3 61.22,71.5 59.45,71.5 58.7,70.74 58.7,69.75 56.72,67.77 54.17,67.77 49.68,63.29 U19.3 ; U15.3 16.68,63.29 21.17,67.77 23.72,67.77 25.7,69.75 25.7,70.74 26.45,71.5 28.22,71.5 J18.3 ; J13.3 94.22,121.5 92.45,121.5 91.7,120.74 91.7,119.75 89.72,117.77 87.17,117.77 82.68,113.29 U11.3 ; U23.3 82.68,63.29 87.17,67.77 89.72,67.77 91.7,69.75 91.7,70.74 92.45,71.5 94.22,71.5 J28.3 ; J8.3 61.22,121.5 59.45,121.5 58.7,120.74 58.7,119.75 56.72,117.77 54.17,117.77 49.68,113.29 U7.3
Net-(D1-A): length 88.7
  Top w1: D2.2 54,96.02 50.61,92.63 46.12,92.63 J7.2 ; D6.2 87,46.02 83.61,42.63 79.12,42.63 J27.2 ; J17.2 13.12,42.63 17.61,42.63 21,46.02 D4.2 ; J12.2 79.12,92.63 83.61,92.63 87,96.02 D3.2 ; D1.2 21,96.02 17.61,92.63 13.12,92.63 J2.2 ; D5.2 54,46.02 50.61,42.63 46.12,42.63 J22.2
  Bottom w1: JP25.1 47.8,44.56 J22.2 ; J27.2 80.8,44.56 JP30.1 ; J2.2 14.8,94.56 JP5.1 ; J7.2 47.8,94.56 JP10.1 ; J12.2 80.8,94.56 JP15.1 ; J17.2 14.8,44.56 JP20.1
Net-(Q1-D): length 59.3
  Top w0.4: U17.2 U17.3 64.28,47.2 R28.1 62.51,48.21 Q5.3 ; Q6.3 95.51,48.21 R34.1 97.28,47.2 U21.3 U21.2 ; U1.2 U1.3 31.28,97.2 R4.1 29.51,98.21 Q1.3 ; U9.2 U9.3 97.28,97.2 R16.1 95.51,98.21 Q3.3 ; Q2.3 62.51,98.21 R10.1 64.28,97.2 U5.3 U5.2 ; Q4.3 29.51,48.21 R22.1 31.28,47.2 U13.3 U13.2
Net-(Q1-G): length 114.6
  Top w0.4: U16.5 22.9,52.28 23.37,51.81 24.64,51.81 25.19,51.26 25.19,46.72 Q4.1 25.15,46.69 25.15,49.2 26.03,50.08 30.69,50.08 R23.1 ; U8.5 55.9,102.28 56.37,101.81 57.64,101.81 58.19,101.26 58.19,96.72 Q2.1 58.15,96.69 58.15,99.2 59.03,100.08 63.69,100.08 R11.1 ; R29.1 63.69,50.08 59.03,50.08 58.15,49.2 58.15,46.69 Q5.1 58.19,46.72 58.19,51.26 57.64,51.81 56.37,51.81 55.9,52.28 U20.5 ; U12.5 88.9,102.28 89.37,101.81 90.64,101.81 91.19,101.26 91.19,96.72 Q3.1 91.15,96.69 91.15,99.2 92.03,100.08 96.69,100.08 R17.1 ; U4.5 22.9,102.28 23.37,101.81 24.64,101.81 25.19,101.26 25.19,96.72 Q1.1 25.15,96.69 25.15,99.2 26.03,100.08 30.69,100.08 R5.1 ; U24.5 88.9,52.28 89.37,51.81 90.64,51.81 91.19,51.26 91.19,46.72 Q6.1 91.15,46.69 91.15,49.2 92.03,50.08 96.69,50.08 R35.1
Net-(U1-D): length 148.2
  Top w0.4: U13.4 29.44,45.99 v1(27.35,43.9) ; v1(93.35,93.9) 95.44,95.99 U9.4 ; U21.4 95.44,45.99 v1(93.35,43.9) ; v1(83.82,50.5) 83.82,52.61 U23.5 ; U1.4 29.44,95.99 v1(27.35,93.9) ; U7.5 50.82,102.61 v1(50.82,100.5) ; U15.5 17.82,52.61 v1(17.82,50.5) ; v1(17.82,100.5) 17.82,102.61 U3.5 ; v1(60.35,93.9) 62.44,95.99 U5.4 ; U19.5 50.82,52.61 v1(50.82,50.5) ; v1(83.82,100.5) 83.82,102.61 U11.5 ; v1(60.35,43.9) 62.44,45.99 U17.4
  Bottom w0.4: 56.35,94.34 50.82,99.87 v1(50.82,100.5) ; 56.35,94.34 56.35,95.1 R12.1 ; 56.35,94.34 56.79,93.9 v1(60.35,93.9) ; R36.1 89.35,45.1 89.35,44.34 ; v1(17.82,100.5) 17.82,99.87 23.35,94.34 ; v1(27.35,93.9) 23.79,93.9 23.35,94.34 ; 89.35,94.34 89.79,93.9 v1(93.35,93.9) ; 89.35,94.34 83.82,99.87 v1(83.82,100.5) ; 89.35,94.34 89.35,95.1 R18.1 ; v1(27.35,43.9) 23.79,43.9 23.35,44.34 ; v1(50.82,50.5) 50.82,49.87 56.35,44.34 ; 23.35,44.34 17.82,49.87 v1(17.82,50.5) ; 23.35,44.34 23.35,45.1 R24.1 ; 89.35,44.34 89.79,43.9 v1(93.35,43.9) ; 89.35,44.34 83.82,49.87 v1(83.82,50.5) ; 56.35,44.34 56.35,45.1 R30.1 ; 56.35,44.34 56.79,43.9 v1(60.35,43.9) ; 23.35,94.34 23.35,95.1 R6.1
Net-(U1-R): length 176.5
  Top w0.4: U22.3 79.76,52.86 v1(79.76,54.18) ; v1(25.99,51.26) 31.16,51.26 33.34,49.08 33.34,47.45 33.82,46.97 U13.1 ; v1(46.76,54.18) 46.76,52.86 U18.3 ; v1(79.76,104.18) 79.76,102.86 U10.3 ; v1(58.99,101.26) 64.16,101.26 66.34,99.08 66.34,97.45 66.82,96.97 U5.1 ; v1(58.99,51.26) 64.16,51.26 66.34,49.08 66.34,47.45 66.82,46.97 U17.1 ; v1(46.76,104.18) 46.76,102.86 U6.3 ; v1(13.76,54.18) 13.76,52.86 U14.3 ; v1(25.99,101.26) 31.16,101.26 33.34,99.08 33.34,97.45 33.82,96.97 U1.1 ; v1(13.76,104.18) 13.76,102.86 U2.3 ; v1(91.99,101.26) 97.16,101.26 99.34,99.08 99.34,97.45 99.82,96.97 U9.1 ; U21.1 99.82,46.97 99.34,47.45 99.34,49.08 97.16,51.26 v1(91.99,51.26)
  Bottom w0.4: v1(58.99,51.26) 58.99,50.76 56.74,48.51 53.33,48.51 51.84,50 51.84,50.62 48.27,54.18 v1(46.76,54.18) ; v1(25.99,101.26) 25.99,100.76 23.74,98.51 20.33,98.51 18.84,100 18.84,100.62 15.27,104.18 v1(13.76,104.18) ; v1(79.76,54.18) 81.27,54.18 84.84,50.62 84.84,50 86.33,48.51 89.74,48.51 91.99,50.76 v1(91.99,51.26) ; v1(58.99,101.26) 58.99,100.76 56.74,98.51 53.33,98.51 51.84,100 51.84,100.62 48.27,104.18 v1(46.76,104.18) ; v1(91.99,101.26) 91.99,100.76 89.74,98.51 86.33,98.51 84.84,100 84.84,100.62 81.27,104.18 v1(79.76,104.18) ; v1(25.99,51.26) 25.99,50.76 23.74,48.51 20.33,48.51 18.84,50 18.84,50.62 15.27,54.18 v1(13.76,54.18)
Net-(U2-A): length 13.8
  Top w0.4: R25.2 42.11,52.74 U18.1 ; U2.1 9.11,102.74 R1.2 ; R13.2 75.11,102.74 U10.1 ; R7.2 42.11,102.74 U6.1 ; R31.2 75.11,52.74 U22.1 ; U14.1 9.11,52.74 R19.2
Net-(U3-A): length 21.6
  Top w0.4: U23.1 85.22,63.33 R32.1 ; U19.1 52.22,63.33 R26.1 ; U7.1 52.22,113.33 R8.1 ; U15.1 19.22,63.33 R20.1 ; R2.1 19.22,113.33 U3.1 ; U11.1 85.22,113.33 R14.1
Net-(U4-A): length 14.7
  Top w0.4: U24.1 90.25,62.44 R33.1 ; R15.1 90.25,112.44 U12.1 ; R3.1 24.25,112.44 U4.1 ; U20.1 57.25,62.44 R27.1 ; R9.1 57.25,112.44 U8.1 ; R21.1 24.25,62.44 U16.1

## Copper pours and planes (outline as drawn; the poured copper is in the pictures)
GND on Top, Bottom: 73.79,76.03 106.17,76.03 106.17,60.66 73.79,60.66
GND on Top, Bottom: 73.79,126.03 106.17,126.03 106.17,110.66 73.79,110.66
GND on Top, Bottom: 40.79,76.03 73.17,76.03 73.17,60.66 40.79,60.66
GND on Top, Bottom: 7.79,76.03 40.17,76.03 40.17,60.66 7.79,60.66
GND on Top, Bottom: 7.79,126.03 40.17,126.03 40.17,110.66 7.79,110.66
GND on Top, Bottom: 40.79,126.03 73.17,126.03 73.17,110.66 40.79,110.66
GNDD on Top, Bottom: 7.66,109.64 40.05,109.64 40.15,76.87 7.77,76.87
GNDD on Top, Bottom: 73.66,109.64 106.05,109.64 106.15,76.87 73.77,76.87
GNDD on Top, Bottom: 40.66,59.64 73.05,59.64 73.15,26.87 40.77,26.87
GNDD on Top, Bottom: 7.66,59.64 40.05,59.64 40.15,26.87 7.77,26.87
GNDD on Top, Bottom: 40.66,109.64 73.05,109.64 73.15,76.87 40.77,76.87
GNDD on Top, Bottom: 73.66,59.64 106.05,59.64 106.15,26.87 73.77,26.87

## Text on the board
B.Silkscreen: Gnd | A | B | 12V | 5V | RX | TX | DRV | link12V | linkGnd | GND
Edge.Cuts: V-CUT
F.Silkscreen: Gnd | 5V | RX | 12V | TX | DRV | Fraiseiver v2.0 | metalu.net / 2024 | GND | A | B | 5V/5V isol
